# Altium PCB MB1635.PcbDoc (part 4 of 10) (continued)
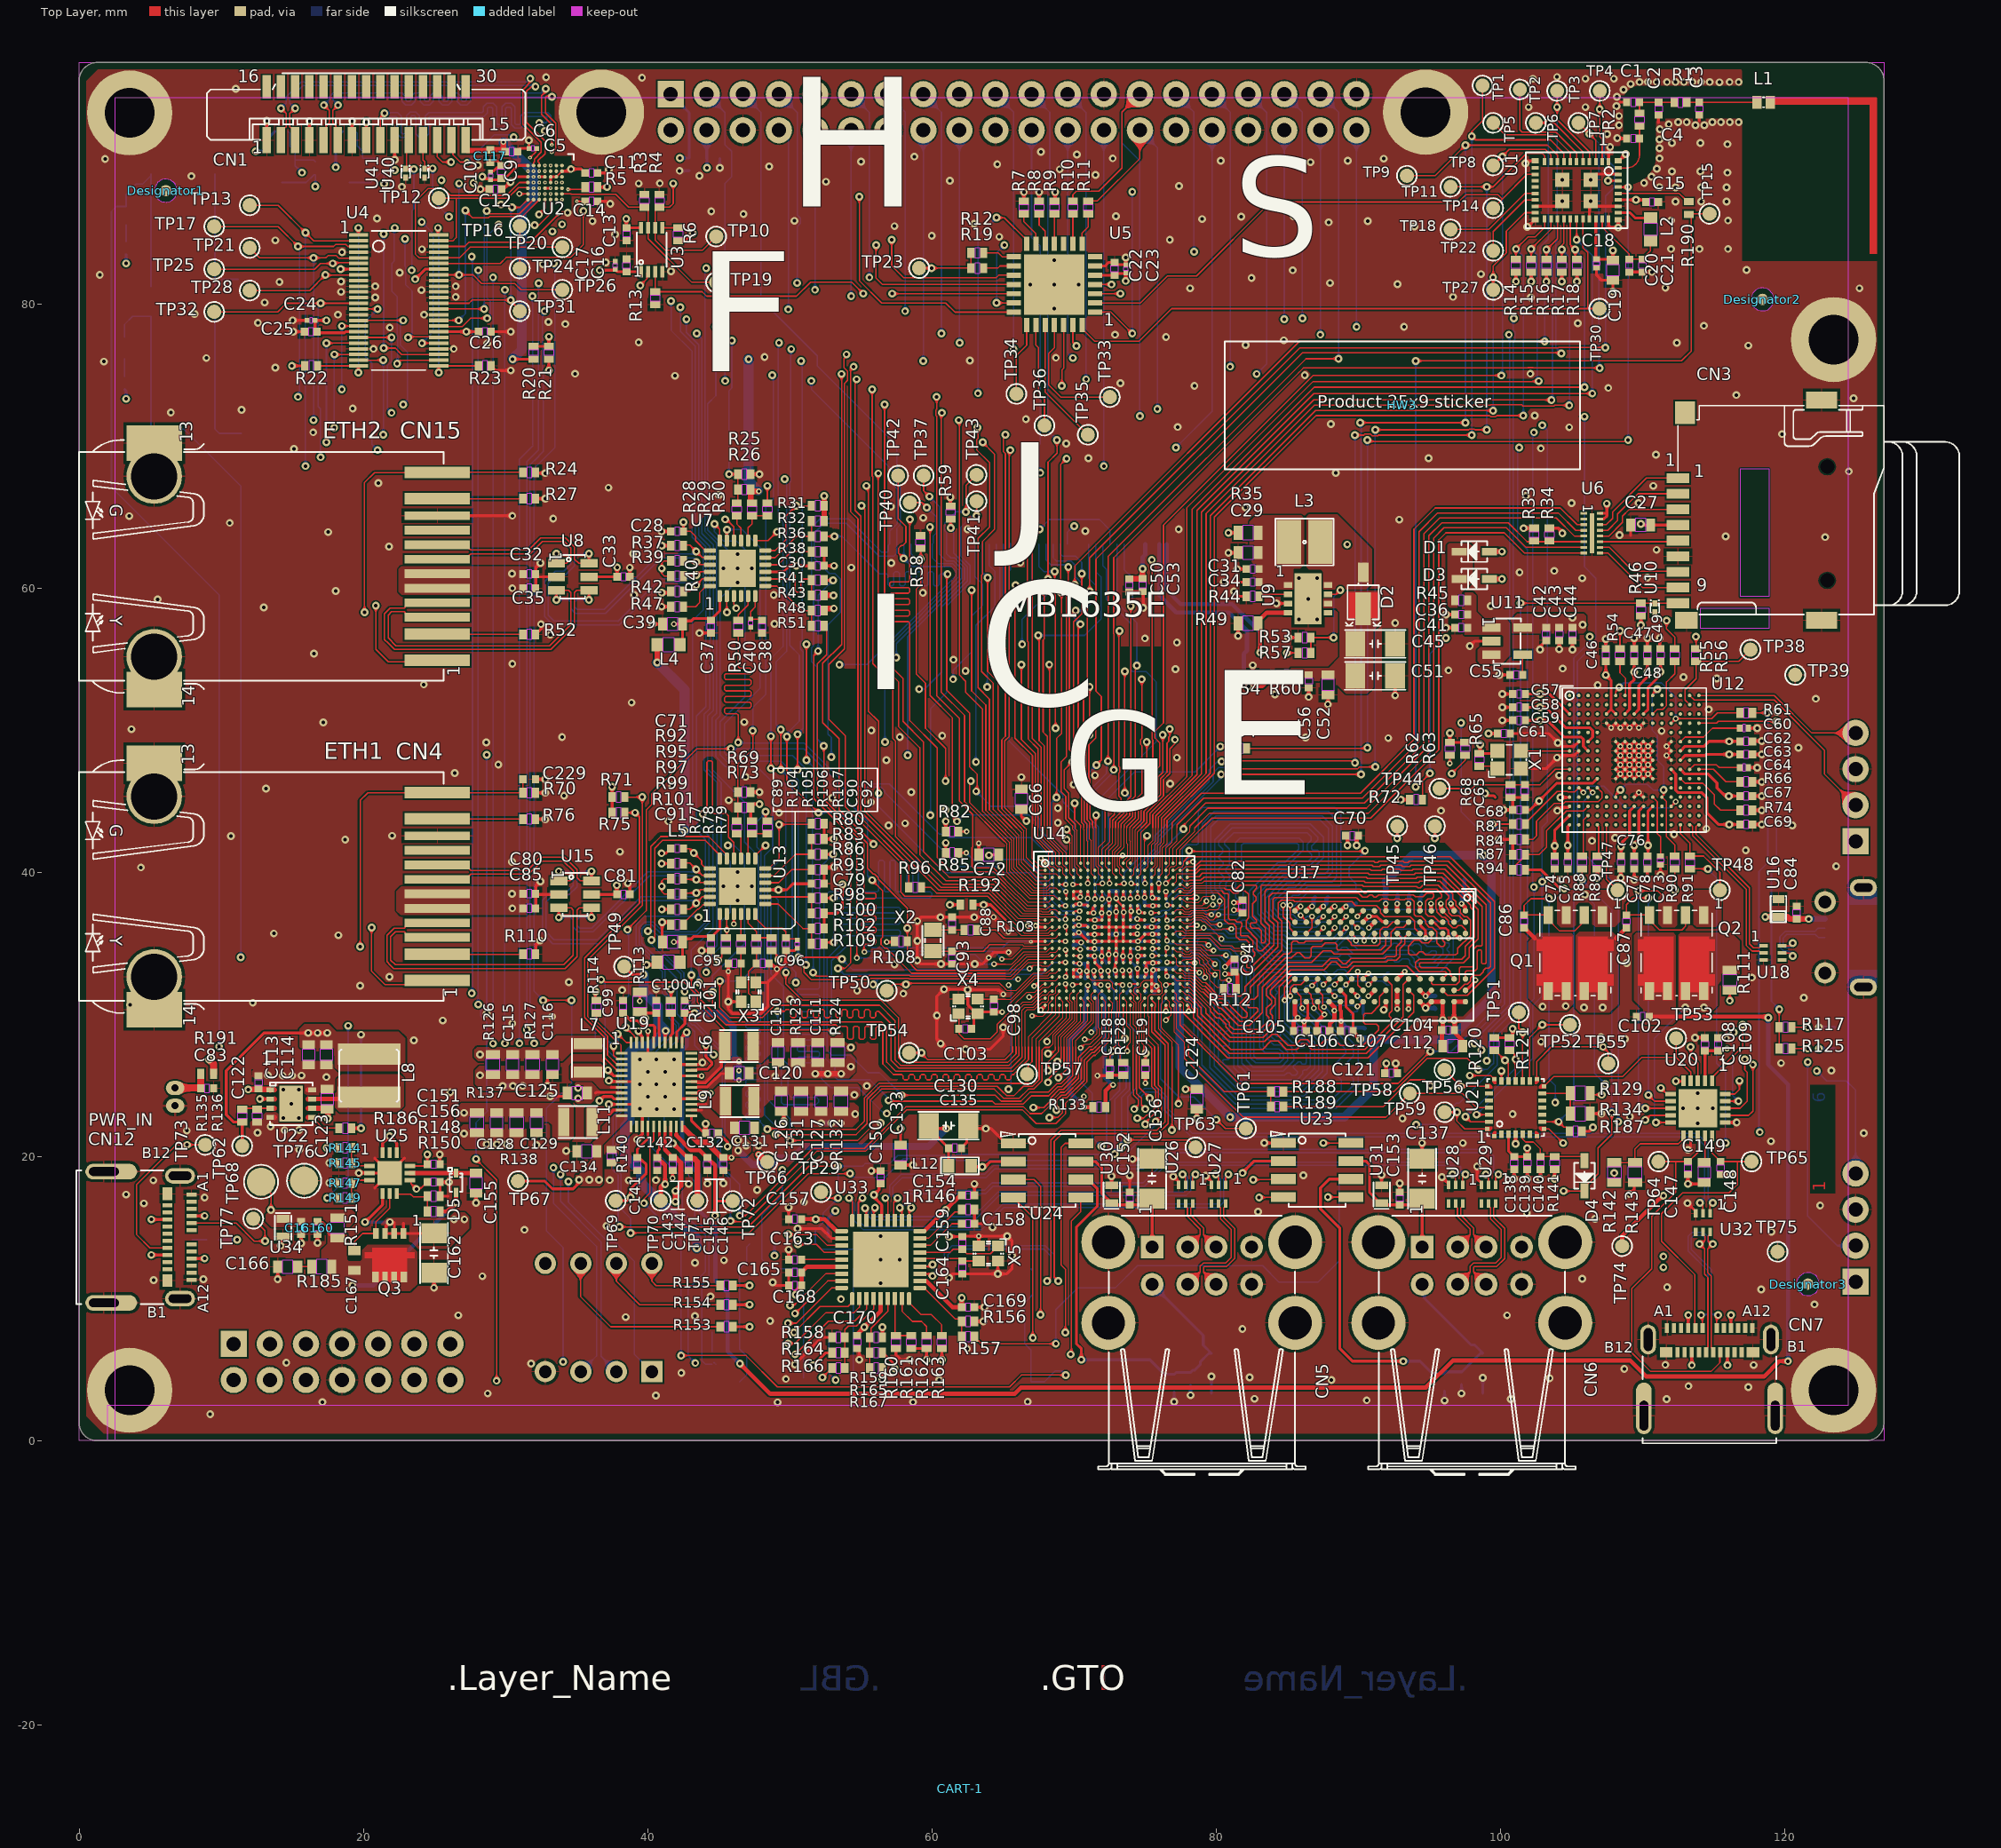
[diagram p0: Top Layer view]
## Nets (pads, with @x,y where several pads share a name; then routed paths per layer and width w, separated by ;. In a path a pad name is that pad's centre, name@x,y a point inside that pad or via, vN(x,y) a via of type N, cw(c..) or ccw(c..) an arc to the next point about the centre after c; other vN are vias at no path point) (continued)
DDR_DQM1: U14.W21 U17.E7 | length 21.7
  Top Layer w0.075: U14.W21@78.013,31.645 78.016,31.645 78.096,31.565 78.159,31.565 79.295,30.43
  Top Layer w0.09: 79.295,30.43 79.295,30.111 81.015,28.39 83.304,28.39 84.45,29.536 84.45,31.936 85.363,32.85 89.175,32.85 89.73,33.405 93.096,33.405 93.111,33.42 93.439,33.42 94.35,32.508 U17.E7@94.35,32.5
DDR_DQS0_N: U14.C21 U17.B7 | length 32.3
  Top Layer w0.09: U14.C21@77.975,39.65 78.032,39.707 78.814,39.707 79.047,39.94 81.275,39.94 90.681,39.94 90.776,39.845 93.949,39.845 94.044,39.94 95.983,39.94 97.473,38.45 97.544,38.45 98.181,37.813 98.181,37.634 98.44,37.375 98.44,35.324 97.805,34.689 97.805,34.039 97.405,33.64 94.377,33.64 94.3,33.563 94.3,33.417 94.433,33.285 96.233,33.285 96.485,33.032 96.485,32.787 96.75,32.522 U17.B7@96.75,32.5
DDR_DQS0_P: U14.C20 U17.C7 | length 32.4
  Top Layer w0.075: U14.C20@77.496,39.65 77.746,39.4 78.093,39.4 78.139,39.447
  Top Layer w0.09: U14.C20@77.475,39.65 U14.C20@77.496,39.65 ; 78.139,39.447 78.922,39.447 79.155,39.68 81.275,39.68 90.573,39.68 90.668,39.585 94.056,39.585 94.151,39.68 95.876,39.68 97.366,38.19 97.436,38.19 97.665,37.961 97.921,37.705 97.921,37.526 98.18,37.267 98.18,35.432 97.545,34.797 97.545,34.147 97.298,33.9 94.269,33.9 94.04,33.671 94.04,33.31 94.325,33.025 96.125,33.025 96.225,32.925 96.225,32.8 95.95,32.525 U17.C7@95.95,32.5
DDR_DQS1_N: U14.V21 U17.G3 | length 22.3
  Top Layer w0.075: U14.V21@77.963,32.161 U14.V21@77.974,32.15 78.003,32.12 78.15,32.12 79.845,30.425
  Top Layer w0.09: 79.845,30.425 79.845,30.339 80.154,30.029 80.351,30.029 80.95,29.43 80.95,29.233 81.243,28.94 83.076,28.94 83.715,29.579 83.715,29.794 83.54,29.969 83.54,30.433 83.9,30.793 83.9,30.992 83.54,31.352 83.54,31.79 85.14,33.39 87.476,33.39 88.031,33.945 88.559,33.945 88.936,33.568 89.129,33.568 89.506,33.945 91.87,33.945 92,34.075 92.575,34.075 92.675,34.175 92.675,34.75 93.025,35.1 93.025,35.425 U17.G3@92.75,35.7
DDR_DQS1_P: U14.V20 U17.F3 | length 23.4
  Top Layer w0.075: U14.V20@77.474,32.15 77.725,31.9 78.094,31.9 79.585,30.409
  Top Layer w0.09: 79.585,30.409 79.585,30.231 80.046,29.769 80.243,29.769 80.69,29.322 80.69,29.126 81.136,28.68 83.184,28.68 83.975,29.471 83.975,29.902 83.8,30.077 83.8,30.325 84.16,30.685 84.16,31.1 83.8,31.46 83.8,31.682 85.247,33.13 87.584,33.13 88.139,33.685 88.451,33.685 88.828,33.308 89.237,33.308 89.614,33.685 91.978,33.685 92.108,33.815 92.683,33.815 92.935,34.067 92.935,34.642 93.285,34.992 93.285,35.435 U17.F3@93.55,35.7
DDR_ODT: U14.J21 U17.K1 | length 30.1
  Top Layer w0.075: U14.J21@77.975,36.65 78.283,36.65 78.456,36.823 78.988,36.823 79.093,36.719 79.253,36.719 79.627,36.345 v2@80.27,36.345
  Top Layer w0.09: v2@89.945,36.895 v2(89.95,36.9) U17.K1@90.345,37.295
  Bottom Layer w0.09: v2(80.27,36.325) 80.329,36.384 80.472,36.384 80.478,36.39 81.6,36.39 81.835,36.625 82.09,36.625 82.325,36.39 82.492,36.39 83.886,34.997 84.569,34.997 84.906,34.66 88.412,34.66 89.558,35.806 89.558,36.275 89.808,36.525 97.025,36.525 97.2,36.7 97.2,37.075 96.9,37.375 90.425,37.375 v2(89.95,36.9)
DDR_RASN: U14.K20 U17.J3 | length 30.7
  Top Layer w0.075: U14.K20@77.47,36.145 77.481,36.134 77.633,36.134 77.861,35.905 77.87,35.905 77.872,35.903 78.076,35.903 78.078,35.905 78.084,35.905 78.119,35.941 78.928,35.941 79.087,36.1 v2(79.125,36.1)
  Top Layer w0.09: v2@91.145,35.195 U17.J3@91.145,35.695
  Bottom Layer w0.09: v2(79.125,36.1) 79.184,36.041 79.339,36.041 79.41,35.97 79.727,35.97 80.007,35.69 80.512,35.69 80.812,35.39 81.417,35.39 81.462,35.435 82.315,35.435 83.96,33.79 89.315,33.79 89.411,33.694 91.857,33.694 92.089,33.925 92.35,33.925 92.583,33.692 92.85,33.692 93.083,33.925 93.505,33.925 93.635,33.795 93.635,33.59 93.885,33.34 95.505,33.34 95.632,33.468 95.632,33.555 95.932,33.855 96.02,33.855 96.41,34.245 96.41,34.39 96.25,34.55 96.25,34.625 96.41,34.785 96.41,34.97 96.35,35.03 96.07,35.03 96,35.1 96,35.65 95.93,35.72 95.545,35.72 95.462,35.637 95.462,35.237 95.35,35.125 95.15,35.125 95.095,35.18 95.095,35.663 95.038,35.72 94.37,35.72 94.225,35.575 93.97,35.575 93.825,35.72 93.436,35.72 93.352,35.636 93.352,35.485 93.297,35.43 93.13,35.43 92.84,35.72 92.225,35.72 92.15,35.645 92.15,35.5 92.08,35.43 91.82,35.43 91.53,35.72 91.355,35.72 91.125,35.49 v2(91.125,35.2)
DDR_RESETN: R176.2 U14.H17 U17.T2 | length 29
  Top Layer w0.09: v2(75.425,37.15) U14.H17@75.975,37.15 ; v1(78.1,41.525) 78.146,41.479 81.275,41.479 90.475,41.479 v1(90.475,41.525) ; v2(85.225,37.7) 85.211,37.686 85.211,36.829 U17.T2@85.545,36.495
  Bottom Layer w0.09: v2(75.425,37.15) 76.01,37.15 76.19,37.33 76.668,37.33 76.895,37.557 76.895,38.062 77.915,39.082 77.915,40.825 78.1,41.01 v1(78.1,41.525)
  Bottom Layer w0.1: v2(85.225,37.7) 85.225,37.694 85.178,37.647 85.497,37.647 86.575,38.725 R176.2@89.85,38.725 89.85,39.2 89.361,39.689 89.361,40.361 v1@90.475,41.475
DDR_WEN: U14.K19 U17.L3 | length 30.9
  Top Layer w0.09: v2@76.563,36.145 76.57,36.145 U14.K19@76.97,36.145 ; U17.L3@89.55,35.7 89.55,35.69 89.798,35.442 89.798,35.242 v2(89.845,35.195)
  Top Layer w0.1: v2(76.55,36.125) v2@76.57,36.145 ; U14.K19@76.97,36.145 U14.K19@76.975,36.15
  Bottom Layer w0.09: v2(76.55,36.125) 76.95,36.125 77.2,35.875 77.2,35.6 77.375,35.425 77.723,35.425 77.875,35.577 77.875,35.988 78.537,36.65 79.14,36.65 79.53,36.26 79.847,36.26 80.127,35.98 80.632,35.98 80.932,35.68 81.297,35.68 81.342,35.725 82.399,35.725 84.045,34.08 88.652,34.08 88.799,34.226 89.288,34.226 89.531,33.984 91.737,33.984 91.968,34.215 93.625,34.215 93.925,33.915 93.925,33.71 94.005,33.63 95.297,33.63 95.96,34.293 95.96,34.6 95.77,34.79 94.847,34.79 94.372,35.265 93.815,35.265 93.69,35.14 93.01,35.14 92.825,35.325 92.385,35.325 92.201,35.14 91.59,35.14 91.305,34.855 90.12,34.855 89.845,35.13 v2(89.845,35.195)
DFSDM1_CKOUT: CN8.13 U14.W6 | length 138.6
  Top Layer w0.075: 69.1,27.725 69.1,28.419 70.228,29.547 70.228,31.403 U14.W6@70.475,31.65
  Top Layer w0.1: v1(68.825,26.675) 68.85,26.675 69.1,26.925 69.1,27.725
  Signal Layer 2 w0.09: v1(32.752,79.504) 32.896,79.359 49.578,79.359 49.728,79.209 50.076,79.209 50.368,79.5 v1(58.125,79.5)
  Signal Layer 2 w0.1: v1(32.025,27.975) 36.756,27.975 36.981,28.2 42.383,28.2 43.532,27.051 44.028,27.051 44.277,26.802 44.277,26.484 46.036,24.725 53.675,24.725 54.905,25.955 63.28,25.955 63.825,26.5 66.151,26.5 66.326,26.675 v1(68.825,26.675)
  Bottom Layer w0.09: 32.025,68.975 32.675,69.625 32.675,75.106 32.605,75.176 32.605,79.43 32.679,79.504 v1(32.752,79.504) ; CN8.13@56.86,94.77 58.125,93.505 v1(58.125,79.5)
  Bottom Layer w0.1: v1(32.025,27.975) 32.025,29.525 31.725,29.825 31.725,68.675 32.025,68.975
DFSDM1_DATIN3: CN8.15 U14.W4 | length 110.5
  Top Layer w0.1: v2@69.45,32.1 69.463,32.088 69.463,31.662 U14.W4@69.475,31.65
  Signal Layer 2 w0.09: 65.175,31.05 66,31.05 66.575,31.625 67.7,31.625 68.225,32.15 v2(69.4,32.15)
  Signal Layer 2 w0.1: v1(43.45,77.925) v1(60.675,77.925) ; v1(44.125,32.975) 44.125,31.375 45.7,29.8 57.05,29.8 58.3,31.05 65.175,31.05
  Bottom Layer w0.1: v1(43.45,77.925) 43.825,77.55 43.825,63.85 44.625,63.05 44.625,51.4 44.225,51 44.225,47.267 45.175,46.317 45.175,41.425 45.825,40.775 45.825,37.2 45.15,36.525 45.15,34.775 44.125,33.75 v1(44.125,32.975) ; CN8.15@59.4,94.77 60.675,93.495 v1(60.675,77.925)
ETH1_CLK: R107.1 U14.Y1 | length 64.9
  Top Layer w0.075: 66.35,27.725 66.35,30.3 66.575,30.525 67.167,30.525 67.736,31.094 67.877,31.094 67.915,31.133 U14.Y1@67.915,31.15
  Top Layer w0.1: R107.1@48.725,34.5 48.775,34.5 49.2,34.075 v1(49.2,33.875) ; v1(49.15,30.225) 49.25,30.225 49.625,30.225 49.65,30.25 49.75,30.35 49.95,30.35 50.05,30.25 50.05,30.225 50.05,29.875 50.15,29.775 50.35,29.775 50.45,29.875 50.45,30.225 50.45,30.25 50.55,30.35 50.75,30.35 50.85,30.25 50.85,30.225 50.85,29.875 50.95,29.775 51.15,29.775 51.25,29.875 51.25,30.225 51.25,30.25 51.35,30.35 51.55,30.35 51.65,30.25 51.65,30.225 51.65,29.875 51.75,29.775 51.95,29.775 52.05,29.875 52.05,30.225 52.05,30.25 52.15,30.35 52.35,30.35 52.45,30.25 52.45,30.225 52.45,29.875 52.55,29.775 52.75,29.775 52.85,29.875 52.85,30.225 52.85,30.25 52.95,30.35 53.15,30.35 53.25,30.25 53.25,30.225 53.25,29.875 53.35,29.775 53.55,29.775 53.65,29.875 53.65,30.225 53.65,30.25 53.75,30.35 53.95,30.35 54.05,30.25 54.05,30.225 54.05,29.875 54.15,29.775 54.35,29.775 54.45,29.875 54.45,30.225 54.45,30.25 54.55,30.35 54.75,30.35 54.85,30.25 54.85,30.225 54.85,29.875 54.95,29.775 55.15,29.775 55.25,29.875 55.25,30.225 55.25,30.25 55.35,30.35 55.55,30.35 55.65,30.25 55.65,30.225 55.65,29.875 55.75,29.775 55.95,29.775 56.05,29.875 56.05,30.125 56.15,30.225 56.25,30.225 57.125,29.35 57.125,26.775 57.675,26.225 65.575,26.225 66.35,27 66.35,27.725
  Bottom Layer w0.1: v1(49.15,30.225) 49.15,26.5 49.4,26.25 49.4,23.825 49.575,23.65 51.85,23.65 52.025,23.825 52.025,24.025 51.875,24.175 50.1,24.175 49.875,24.4 49.875,26.475 49.575,26.775 49.575,31.955 48.675,32.855 48.675,38.191 48.734,38.25 49,38.25 49.2,38.05 v1(49.2,33.875)
ETH1_CRS_DV: R86.1 U14.Y9 | length 64.9
  Top Layer w0.075: 71.526,27.725 72.225,28.424 72.225,30.9 U14.Y9@71.975,31.15
  Top Layer w0.1: R86.1@52.425,41.275 v1(53.05,41.275) ; v1(68.775,23.275) 68.775,23.974 69.127,24.326 69.411,24.326 70.52,25.435 70.52,26.87 71.172,27.522 71.324,27.522 71.526,27.725
  Signal Layer 2 w0.219: v1(56.835,23.035) 56.85,23.05 66.591,23.05 66.782,22.859 67.244,22.859 67.435,23.05 67.65,23.05 68.05,23.45 68.51,23.45 68.685,23.275 v1(68.775,23.275)
  Bottom Layer w0.1: v1(53.05,41.275) 52.1,40.325 52.1,32.025 52.1,31.9 52,31.8 50.625,31.8 50.525,31.7 50.525,31.5 50.625,31.4 52,31.4 52.1,31.3 52.1,31.1 52,31 50.625,31 50.525,30.9 50.525,30.7 50.625,30.6 52,30.6 52.1,30.5 52.1,30.3 52,30.2 50.625,30.2 50.525,30.1 50.525,29.9 50.625,29.8 52,29.8 52.1,29.7 52.1,29.5 52,29.4 50.625,29.4 50.525,29.3 50.525,29.1 50.625,29 52,29 52.1,28.9 52.1,28.7 52,28.6 50.625,28.6 50.525,28.5 50.525,28.3 50.625,28.2 52,28.2 52.1,28.1 52.1,27.9 52,27.8 50.625,27.8 50.525,27.7 50.525,27.5 50.625,27.4 52,27.4 52.1,27.3 52.1,27.1 52,27 50.625,27 50.525,26.9 50.525,26.7 50.625,26.6 52,26.6 52.1,26.5 52.1,26.4 52.225,26.275 52.225,25.5 52.875,24.85 54.825,24.85 56.554,23.121 56.749,23.121 v1(56.835,23.035)
ETH1_MDC: U13.13 U14.V3 | length 49.4
  Top Layer w0.075: 66.575,27.725 66.575,30.2 66.725,30.35 67.231,30.35 67.781,30.9 68.125,30.9 68.225,31 68.225,31.275 68.35,31.4 68.573,31.4 68.725,31.552 68.725,31.9 U14.V3@68.975,32.15
  Top Layer w0.1: v1(44.575,31.6) 44.575,30.625 45.725,29.475 56.45,29.475 56.825,29.1 56.825,26.65 57.475,26 65.675,26 66.575,26.9 66.575,27.725 ; U13.13@47.575,40.975 47.575,41.175 v1(48.3,41.9)
  Signal Layer 2 w0.219: v1(45.65,41.9) v1(48.3,41.9)
  Bottom Layer w0.1: v1(44.575,31.6) 44.575,32.725 46.825,34.975 46.825,41.175 46.1,41.9 v1(45.65,41.9)
ETH1_MDINT: R104.1 U14.L4 | length 27.4
  Top Layer w0.09: U14.L4@69.475,35.65 v2@69.475,36.075
  Top Layer w0.1: v1(44.975,33.825) 45.225,34.075 45.225,34.5 R104.1@45.5,34.5
  Signal Layer 2 w0.219: v1(44.975,33.825) 46.75,35.6 57.425,35.6 57.5,35.525 58.475,35.525 58.675,35.725 64.475,35.725 64.975,35.225 65.175,35.225 66.55,35.225 67.025,35.7 68.9,35.7 v2(69.4,36.2)
ETH1_MDIO: R80.1 U13.12 U14.Y4 | length 57.4
  Top Layer w0.075: 68.3,27.725 68.525,27.95 68.525,28.561 69.721,29.757 69.721,30.779 69.498,31.002 69.498,31.127 U14.Y4@69.475,31.15
  Top Layer w0.1: U13.12@48.275,40.275 48.525,40.275 49.25,41 v1(49.25,43.375) 51.475,43.375 R80.1@51.525,43.425 ; v1(50.025,21.125) 54.775,21.125 55.65,22 55.65,23.95 56.45,24.75 64.4,24.75 65.05,24.1 66.15,24.1 66.8,24.75 67.166,24.75 67.75,25.334 67.75,27.5 67.931,27.681 68.256,27.681 68.3,27.725
  Bottom Layer w0.1: v1(49.25,43.375) 49.25,40.825 48.45,40.025 48.45,24.025 49.549,22.926 49.753,22.926 50.025,22.654 v1(50.025,21.125)
ETH1_NRST: R69.1 R73.1 R77.1 U5.26 | length 57.8
  Top Layer w0.1: R77.1@46.275,43.625 46.35,43.7 R73.1@46.35,44.575 R69.1@46.35,45.65 46.35,47.625 47.4,48.675 v1(47.4,49.975) ; v1(69.15,74.25) 69.15,75.35 69.275,75.475 U5.26@69.275,78.525
  Signal Layer 2 w0.1: v1(48.775,75) 48.897,75 49.047,75.15 51.975,75.15 52.85,74.275 55.2,74.275 55.375,74.45 59.637,74.45 59.837,74.25 v1(69.15,74.25)
  Bottom Layer w0.1: v1(47.4,49.975) 47.4,51.6 48.325,52.525 48.325,65.75 48.85,66.275 48.85,74.925 v1(48.775,75)
ETH1_RX_CLK: R79.1 U14.AA3 | length 67.2
  Top Layer w0.075: 67.35,27.725 67.35,28.3 68.975,29.925 U14.AA3@68.975,30.65
  Top Layer w0.1: v1(48.3,44.275) 48.3,43.75 R79.1@48.425,43.625 ; v1(48.425,21.925) 48.476,21.976 49.178,21.976 49.229,21.925 54.675,21.925 55.25,22.5 55.25,24.125 56.3,25.175 65.576,25.175 65.601,25.15 67,25.15 67.35,25.5 67.35,26.069 67.35,27.725
  Bottom Layer w0.1: v1(48.3,44.275) 48.3,44.175 47.7,43.575 47.7,41.775 47.975,41.5 47.975,30.15 47.925,30.1 47.925,29.825 47.925,29.525 47.825,29.425 47,29.425 46.9,29.325 46.9,29.125 47,29.025 47.825,29.025 47.925,28.925 47.925,28.725 47.825,28.625 47,28.625 46.9,28.525 46.9,28.325 47,28.225 47.825,28.225 47.925,28.125 47.925,27.925 47.825,27.825 47,27.825 46.9,27.725 46.9,27.525 47,27.425 47.825,27.425 47.925,27.325 47.925,27.125 47.825,27.025 47,27.025 46.9,26.925 46.9,26.725 47,26.625 47.825,26.625 47.925,26.525 47.925,26.325 47.825,26.225 47,26.225 46.9,26.125 46.9,25.925 47,25.825 47.825,25.825 47.925,25.725 47.925,25.525 47.825,25.425 47,25.425 46.9,25.325 46.9,25.125 47,25.025 47.825,25.025 47.925,24.925 47.925,24.725 47.825,24.625 47,24.625 46.9,24.525 46.9,24.325 47,24.225 47.825,24.225 47.925,24.125 47.925,23.925 47.825,23.825 47,23.825 46.9,23.725 46.9,23.525 47,23.425 47.825,23.425 47.925,23.325 47.925,23.125 47.825,23.025 47,23.025 46.9,22.925 46.9,22.725 47,22.625 47.825,22.625 47.925,22.525 47.925,22.425 v1(48.425,21.925)
ETH1_RXD0: R98.1 U14.Y7 | length 70
  Top Layer w0.075: 69.9,27.725 69.9,28.263 71.221,29.584 71.221,30.775 70.996,31 70.996,31.129 U14.Y7@70.975,31.15
  Top Layer w0.1: R98.1@52.425,38.2 v1(53.075,38.2) ; v1(56.95,23.95) 57,23.9 64.25,23.9 64.45,23.7 66.425,23.7 67,24.275 68.228,24.275 68.879,24.926 69.162,24.926 69.9,25.664 69.9,27.725
  Bottom Layer w0.1: v1(53.075,38.2) 59.3,38.2 59.65,38.2 59.85,38.2 60,38.35 60,38.525 59.9,38.625 59.85,38.625 59.45,38.625 59.15,38.625 59.05,38.725 59.05,40.75 58.95,40.85 58.75,40.85 58.65,40.75 58.65,38.725 58.55,38.625 58.35,38.625 58.25,38.725 58.25,40.75 58.15,40.85 57.95,40.85 57.85,40.75 57.85,38.725 57.75,38.625 57.55,38.625 57.45,38.725 57.45,40.75 57.35,40.85 57.15,40.85 57.05,40.75 57.05,38.725 56.95,38.625 56.75,38.625 56.65,38.725 56.65,40.75 56.55,40.85 56.35,40.85 56.25,40.75 56.25,38.725 56.15,38.625 56.05,38.625 52.75,38.625 52.4,38.275 52.4,27.025 53.175,26.25 53.175,25.6 53.375,25.4 55.65,25.4 56.824,24.226 56.824,24.197 56.95,24.072 v1(56.95,23.95)
ETH1_RXD1: R109.1 U14.AA7 | length 63.5
  Top Layer w0.075: 69.7,27.725 69.7,28.302 70.975,29.577 70.975,29.816 U14.AA7@70.975,30.65
  Top Layer w0.1: R109.1@52.425,34.975 52.525,35.075 v1(53.1,35.075) ; v1(57.875,24.325) 64.45,24.325 64.875,23.9 66.275,23.9 66.925,24.55 68.22,24.55 68.376,24.706 68.796,25.126 69.079,25.126 69.7,25.747 69.7,27.725
  Bottom Layer w0.1: v1(53.1,35.075) 53.1,37.625 53.283,37.808 53.357,37.808 53.375,37.825 53.591,37.825 53.65,37.766 53.65,37.625 53.725,37.55 57.675,37.55 57.775,37.45 57.775,37.25 57.675,37.15 53.75,37.15 53.65,37.05 53.65,36.85 53.75,36.75 57.675,36.75 57.775,36.65 57.775,36.45 57.675,36.35 53.75,36.35 53.65,36.25 53.65,36.05 53.75,35.95 57.675,35.95 57.775,35.85 57.775,35.65 57.675,35.55 53.75,35.55 53.65,35.45 53.65,35.15 53.65,34.95 52.625,33.925 52.625,27.475 52.96,27.14 54.261,27.14 55.501,25.9 56.325,25.9 57.875,24.35 v1(57.875,24.325)
ETH1_TX_EN: U13.16 U14.AA2 | length 68.2
  Top Layer w0.075: 66.8,27.725 66.8,28.45 68.475,30.125 U14.AA2@68.475,30.65
  Top Layer w0.1: v1(43.075,32.775) 43.075,32.05 43.7,31.425 43.7,31.075 45.5,29.275 53.25,29.275 53.35,29.175 53.675,29.175 53.975,29.175 54.075,29.075 54.075,28.35 54.175,28.25 54.375,28.25 54.475,28.35 54.475,29.075 54.575,29.175 54.775,29.175 54.875,29.075 54.875,28.35 54.975,28.25 55.175,28.25 55.275,28.35 55.275,29.075 55.375,29.175 55.575,29.175 55.675,29.075 55.675,28.35 55.775,28.25 55.975,28.25 56.075,28.35 56.075,29.075 56.175,29.175 56.275,29.175 56.55,28.9 56.55,26.525 57.3,25.775 57.425,25.775 57.575,25.775 57.875,25.775 57.975,25.675 57.975,25.5 58.075,25.4 58.275,25.4 58.375,25.5 58.375,25.675 58.475,25.775 58.675,25.775 58.775,25.675 58.775,25.5 58.875,25.4 59.075,25.4 59.175,25.5 59.175,25.675 59.275,25.775 59.475,25.775 59.575,25.675 59.575,25.5 59.675,25.4 59.875,25.4 59.975,25.5 59.975,25.675 60.075,25.775 60.275,25.775 60.375,25.675 60.375,25.5 60.475,25.4 60.675,25.4 60.775,25.5 60.775,25.675 60.875,25.775 61.075,25.775 61.175,25.675 61.175,25.5 61.275,25.4 61.475,25.4 61.575,25.5 61.575,25.675 61.675,25.775 61.875,25.775 61.975,25.675 61.975,25.5 62.075,25.4 62.275,25.4 62.375,25.5 62.375,25.675 62.475,25.775 62.675,25.775 62.775,25.675 62.775,25.5 62.875,25.4 63.075,25.4 63.175,25.5 63.175,25.675 63.275,25.775 63.475,25.775 63.575,25.675 63.575,25.5 63.675,25.4 63.875,25.4 63.975,25.5 63.975,25.675 64.075,25.775 64.275,25.775 64.375,25.675 64.375,25.5 64.475,25.4 64.675,25.4 64.775,25.5 64.775,25.675 64.875,25.775 65.075,25.775 65.175,25.675 65.175,25.5 65.275,25.4 65.475,25.4 65.575,25.5 65.575,25.675 65.675,25.775 65.775,25.775 65.775,25.8 66.8,26.825 66.8,27.725 ; v1(43.875,44.125) 43.975,44.125 44.075,44.125 44.175,44.225 44.175,47.75 44.275,47.85 44.475,47.85 44.575,47.75 44.575,44.225 44.675,44.125 44.975,44.125 45.375,44.125 45.4,44.125 45.55,44.125 45.7,43.975 45.7,42.475 46.075,42.1 U13.16@46.075,40.975
  Bottom Layer w0.1: v1(43.075,32.775) 43.075,34.525 44.6,36.05 44.6,43.4 v1(43.875,44.125)
ETH1_TXD0: U13.17 U14.AA9 | length 70.5
  Top Layer w0.075: 71.253,27.725 71.975,28.447 U14.AA9@71.975,30.65
  Top Layer w0.087: 71.244,27.725 71.253,27.725
  Top Layer w0.1: v1(40.025,35.875) 40.225,36.075 40.225,41.825 40.925,42.525 44.3,42.525 45.575,41.25 U13.17@45.575,40.975 ; v1(46.475,15.85) 46.9,15.85 51.625,20.575 55.25,20.575 58.175,23.5 66.45,23.5 66.925,23.025 67.725,23.025 67.95,23.25 67.958,23.25 68.575,23.867 68.575,24.057 69.045,24.526 69.328,24.526 70.32,25.518 70.32,26.97 71.075,27.725 71.244,27.725
  Bottom Layer w0.1: v1(40.025,35.875) 40.4,35.875 40.714,35.561 40.714,34.769 42.55,32.933 42.55,32.625 43.35,31.825 43.35,30.97 42.75,30.37 42.75,29.934 43.221,29.462 43.375,29.462 45.45,27.387 45.45,21.319 45.125,20.994 45.125,19.383 46.475,18.033 v1(46.475,15.85)
ETH1_TXD1: U13.18 U14.Y10 | length 72.2
  Top Layer w0.075: 72.092,27.725 72.644,28.277 72.644,30.337 72.721,30.414 72.721,30.779 72.498,31.002 72.498,31.127 U14.Y10@72.475,31.15
  Top Layer w0.1: v1(40.275,35.25) 40.3,35.225 40.5,35.425 40.5,41.7 41.05,42.25 44.05,42.25 45.075,41.225 U13.18@45.075,40.975 ; v1(45.825,15.475) 45.875,15.425 46.95,15.425 51.9,20.375 55.333,20.375 58.258,23.3 66.367,23.3 67.342,22.325 68.725,22.325 69.4,23 69.4,23.75 70.92,25.27 70.92,26.67 71.372,27.122 71.489,27.122 72.092,27.725
  Bottom Layer w0.1: v1(40.275,35.25) 40.275,34.925 42.35,32.85 42.35,32.542 43.15,31.742 43.15,31.053 42.55,30.453 42.55,29.851 43.138,29.262 43.292,29.262 44.527,28.027 44.527,28.024 44.853,27.699 45.25,27.301 45.25,21.402 44.925,21.077 44.925,19.3 45.825,18.4 v1(45.825,15.475)
ETH2_CLK: R50.1 U14.H5 | length 53
  Top Layer w0.09: U14.H5@69.975,37.15 70.1,37.275 v2(70.4,37.275)
  Top Layer w0.1: v1(46.375,49.15) 46.375,50.975 46.375,51.075 46.275,51.175 45.5,51.175 45.4,51.275 45.4,51.475 45.5,51.575 46.375,51.575 47.186,51.575 47.286,51.675 47.286,51.875 47.186,51.975 46.375,51.975 45.5,51.975 45.4,52.075 45.4,52.275 45.5,52.375 46.375,52.375 47.186,52.375 47.286,52.475 47.286,52.675 47.186,52.775 46.375,52.775 45.5,52.775 45.4,52.875 45.4,53.075 45.5,53.175 46.375,53.175 47.186,53.175 47.286,53.275 47.286,53.475 47.186,53.575 46.375,53.575 45.5,53.575 45.4,53.675 45.4,53.875 45.5,53.975 46.375,53.975 47.186,53.975 47.286,54.075 47.286,54.275 47.186,54.375 46.475,54.375 46.375,54.475 46.375,54.775 46.375,54.8 R50.1@46.375,56.85
  Bottom Layer w0.1: v1(46.375,49.15) 46.425,49.1 51.025,49.1 54.075,46.05 55.075,46.05 55.25,46.225 57,46.225 60.525,42.7 60.951,42.7 61.201,42.45 66.975,42.45 68.275,41.15 68.275,38.2 69.2,37.275 v2(70.4,37.275)
ETH2_CRS_DV: R36.1 U14.F4 | length 46.1
  Top Layer w0.09: v2(69.425,38.65) 69.463,38.613 69.463,38.163 U14.F4@69.475,38.15
  Top Layer w0.1: R36.1@52.425,63.65 v1(53.15,63.65) ; v1(61.1,61) 61.05,60.95 61.05,52.825 62.65,51.225 62.65,47.45 63.2,46.9 63.2,45.775 v1(63.125,45.7)
  Bottom Layer w0.1: v1(53.15,63.65) 53.68,63.65 56.228,61.102 56.33,61 56.82,61 56.92,60.9 56.92,60.258 57.02,60.158 57.22,60.158 57.32,60.258 57.32,61.052 57.42,61.152 57.62,61.152 57.72,61.052 57.72,60.258 57.82,60.158 58.02,60.158 58.12,60.258 58.12,61.052 58.22,61.152 58.42,61.152 58.52,61.052 58.52,60.258 58.62,60.158 58.82,60.158 58.92,60.258 58.92,61.052 59.02,61.152 59.22,61.152 59.32,61.052 59.32,60.258 59.42,60.158 59.62,60.158 59.72,60.258 59.72,61.052 59.82,61.152 60.02,61.152 60.12,61.052 60.12,60.258 60.22,60.158 60.42,60.158 60.52,60.258 60.52,60.9 60.62,61 60.895,61 v1(61.1,61) ; v1(63.125,45.7) 64.175,44.65 66.675,44.65 67.6,43.725 67.6,43 68.95,41.65 68.95,39.125 v2(69.425,38.65)
ETH2_MDC: U7.13 U14.G3 | length 47.4
  Top Layer w0.09: U14.G3@68.975,37.65 v2(69.4,37.65)
  Top Layer w0.1: U7.13@47.575,63.35 48.475,63.35 v1(49.1,63.975) ; v1@59.875,64.425 59.875,52.444 61.45,50.869 61.45,43.925 v1(61.775,43.6)
  Signal Layer 2 w0.219: v1(49.1,63.975) 49.425,64.3 v1(59.875,64.3)
  Bottom Layer w0.09: 67.3,43.125 67.3,42.725 68.575,41.45 68.575,38.475 v2(69.4,37.65)
  Bottom Layer w0.1: v1(61.775,43.6) 62.227,44.052 66.829,44.052 67.3,43.581 67.3,43.125
ETH2_MDINT: R30.1 U14.H4 | length 48.8
  Top Layer w0.09: v2(69.4,36.7) 69.4,37.075 U14.H4@69.475,37.15
  Top Layer w0.1: R30.1@48.425,66 v1(48.425,67.2) ; v1(55.4,67.2) 55.525,67.075 55.525,51.35 56.25,50.625 v1(56.25,45.575)
  Signal Layer 2 w0.219: v1(48.425,67.2) 48.45,67.175 55.375,67.175 v1(55.4,67.2)
  Bottom Layer w0.09: 65.175,39.975 66.975,39.975 67.875,39.075 67.875,37.825 69,36.7 v2(69.4,36.7)
  Bottom Layer w0.1: v1(56.25,45.575) 56.25,44.625 60.9,39.975 65.175,39.975
ETH2_MDIO: R31.1 U7.12 U14.J3 | length 48.6
  Top Layer w0.075: 65.175,37.975 66.212,36.938 67.559,36.938 67.601,36.897 68.728,36.897 U14.J3@68.975,36.65
  Top Layer w0.1: U7.12@48.275,62.65 48.975,62.65 49.725,63.4 49.725,65.075 v1(50.45,65.8) R31.1@51.525,65.8 ; v1(55.05,65.8) 55.275,65.575 55.275,44.325 60.65,38.95 64.2,38.95 65.175,37.975
  Signal Layer 2 w0.219: v1(50.45,65.8) v1(55.05,65.8)
ETH2_NRST: R25.1 R26.1 R28.1 U5.27 | length 38.7
  Top Layer w0.1: v1(45.725,68.025) R25.1@46.35,68.025 R26.1@46.35,66.95 46.35,66.075 R28.1@46.275,66 ; U5.27@69.925,78.525 69.925,77.3 v1(70.175,77.05)
  Signal Layer 2 w0.1: v1(45.925,77.425) 46.225,77.725 49.5,77.725 49.725,77.5 61.1,77.5 61.425,77.825 65.5,77.825 66.275,77.05 v1(70.175,77.05)
  Bottom Layer w0.1: v1(45.725,68.025) 45.725,73.9 45.925,74.1 v1(45.925,77.425)
ETH2_RXD0: R41.1 U14.N2 | length 43.6
  Top Layer w0.075: 65.175,33.55 65.625,33.55 66.479,34.404 68.077,34.404 68.323,34.65 U14.N2@68.475,34.65
  Top Layer w0.1: v1(52,55.575) 51.7,55.275 51.7,45.2 54.725,42.175 v2(54.725,33.975) ; R41.1@52.425,60.575 52.45,60.55 v1(53.05,60.55) ; v2(64.375,33.55) 65.175,33.55
  Bottom Layer w0.1: v1(52,55.575) 52,59.5 v1(53.05,60.55) ; v2(54.725,33.975) 57.075,33.975 57.325,34.225 63.05,34.225 63.725,33.55 v2(64.375,33.55)
ETH2_RXD1: R51.1 U14.N1 | length 46.5
  Top Layer w0.075: v2(64.925,33.9) 65.175,33.9 65.65,33.9 66.4,34.65 U14.N1@67.975,34.65
  Top Layer w0.1: R51.1@52.425,57.35 52.6,57.175 52.6,55.325 51.95,54.675 51.95,45.3 52.205,45.045 55.225,42.024 55.225,38.75 55.225,38.65 55.325,38.55 55.975,38.55 56.075,38.45 56.075,38.25 55.975,38.15 55.225,38.15 55.175,38.15 55.075,38.05 55.075,37.85 55.175,37.75 55.225,37.75 55.975,37.75 56.075,37.65 56.075,37.45 55.975,37.35 55.225,37.35 55.175,37.35 55.075,37.25 55.075,37.05 55.175,36.95 55.225,36.95 55.975,36.95 56.075,36.85 56.075,36.65 55.975,36.55 55.225,36.55 55.175,36.55 55.075,36.45 55.075,36.25 55.175,36.15 55.225,36.15 55.975,36.15 56.075,36.05 56.075,35.85 55.975,35.75 55.225,35.75 55.175,35.75 55.075,35.65 55.075,35.45 55.175,35.35 55.225,35.35 55.975,35.35 56.075,35.25 56.075,35.05 55.975,34.95 55.325,34.95 55.225,34.85 55.225,34.55 55.25,34.525 55.253,34.522 v2(55.253,34.402)
  Bottom Layer w0.1: v2(55.253,34.402) 55.301,34.45 64.375,34.45 v2(64.925,33.9)
ETH2_TX_EN: U7.16 U14.G1 | length 58.9
  Top Layer w0.075: 65.175,39.2 66.725,37.65 U14.G1@67.975,37.65
  Top Layer w0.1: v1(45.45,64.85) 45.55,64.85 46.075,64.325 U7.16@46.075,63.35 ; v1(58.45,64.85) 58.45,60.975 58.45,60.85 58.45,60.55 58.35,60.45 57.125,60.45 57.025,60.35 57.025,60.15 57.125,60.05 58.35,60.05 58.45,59.95 58.45,59.75 58.35,59.65 57.125,59.65 57.025,59.55 57.025,59.35 57.125,59.25 58.35,59.25 58.45,59.15 58.45,58.95 58.35,58.85 57.125,58.85 57.025,58.75 57.025,58.55 57.125,58.45 58.35,58.45 58.45,58.35 58.45,58.15 58.35,58.05 57.125,58.05 57.025,57.95 57.025,57.75 57.125,57.65 58.35,57.65 58.45,57.55 58.45,57.45 58.45,50.675 60.375,48.75 60.375,41.05 61.375,40.05 64.325,40.05 65.175,39.2
  Signal Layer 2 w0.219: v1(45.45,64.85) v1(58.45,64.85)
ETH2_TXD0: U7.17 U14.P3 | length 58
  Top Layer w0.075: 65.175,32.7 65.575,32.7 66.772,33.897 68.572,33.897 68.825,34.15 U14.P3@68.975,34.15
  Top Layer w0.1: U7.17@45.575,63.35 v1(45.575,64.125) ; v1(51.653,32.952) 51.627,32.952 51.625,32.95 51.875,32.7 55.566,32.7 55.616,32.75 58.434,32.75 58.484,32.7 65.175,32.7
  Bottom Layer w0.1: v1(45.575,64.125) 46.65,64.125 47.9,62.875 47.9,52.95 45.4,50.45 45.4,48.4 45.575,48.225 50.2,48.225 51.625,46.8 51.625,44.401 51.6,44.376 51.6,34 51.653,33.947 v1(51.653,32.952)
ETH2_TXD1: U7.18 U14.R2 | length 57.2
  Top Layer w0.075: v2@66.898,33.225 66.905,33.225 67.161,33.481 67.644,33.481 67.725,33.4 68.225,33.4 U14.R2@68.475,33.65
  Top Layer w0.09: v2(66.875,33.225) v2@66.898,33.225
  Top Layer w0.1: v1(44.7,64.525) 45.075,64.15 U7.18@45.075,63.35 ; v1(50.6,34.025) 53.65,34.025 53.669,34.006 v1(53.669,33.9)
  Bottom Layer w0.1: v1(44.7,64.525) 44.701,64.524 44.701,63.974 45.366,63.309 46.266,63.309 46.85,62.725 46.85,52.35 45.1,50.6 45.1,48.275 45.55,47.825 49.4,47.825 50.125,47.1 50.125,46.95 50.6,46.475 v1(50.6,34.025) ; v1(53.669,33.9) 54.419,33.15 57.149,33.15 57.199,33.1 57.551,33.1 57.601,33.15 60.449,33.15 60.474,33.125 60.826,33.125 60.851,33.15 62.824,33.15 62.849,33.125 63.201,33.125 63.226,33.15 66.8,33.15 v2(66.875,33.225)